# Altium PCB PowerBoard.PcbDoc
Units mil, origin at the board's own origin, x right, y up, seen from the top; angles counter-clockwise.
Board outline 3937.01 x 2427.89 mil, 2 copper layers (Top Layer, Bottom Layer); 17 components, 24 nets, 84 pads, 0 vias.
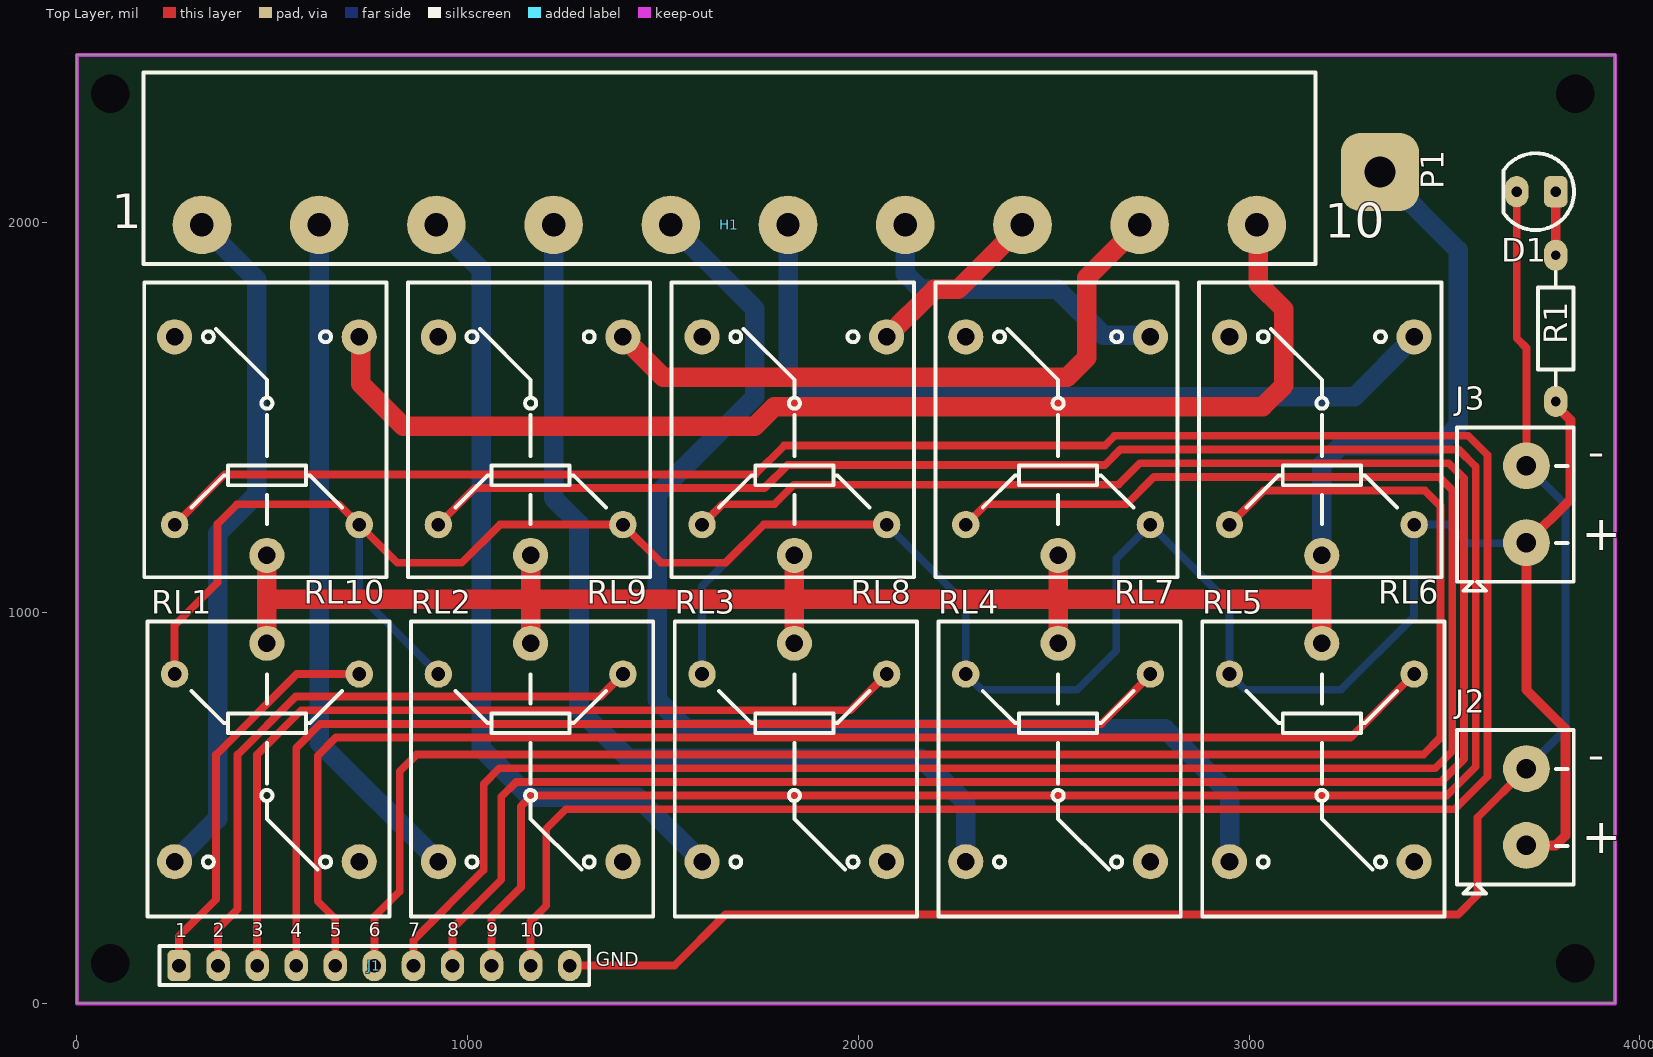
[diagram p0: Top Layer view]
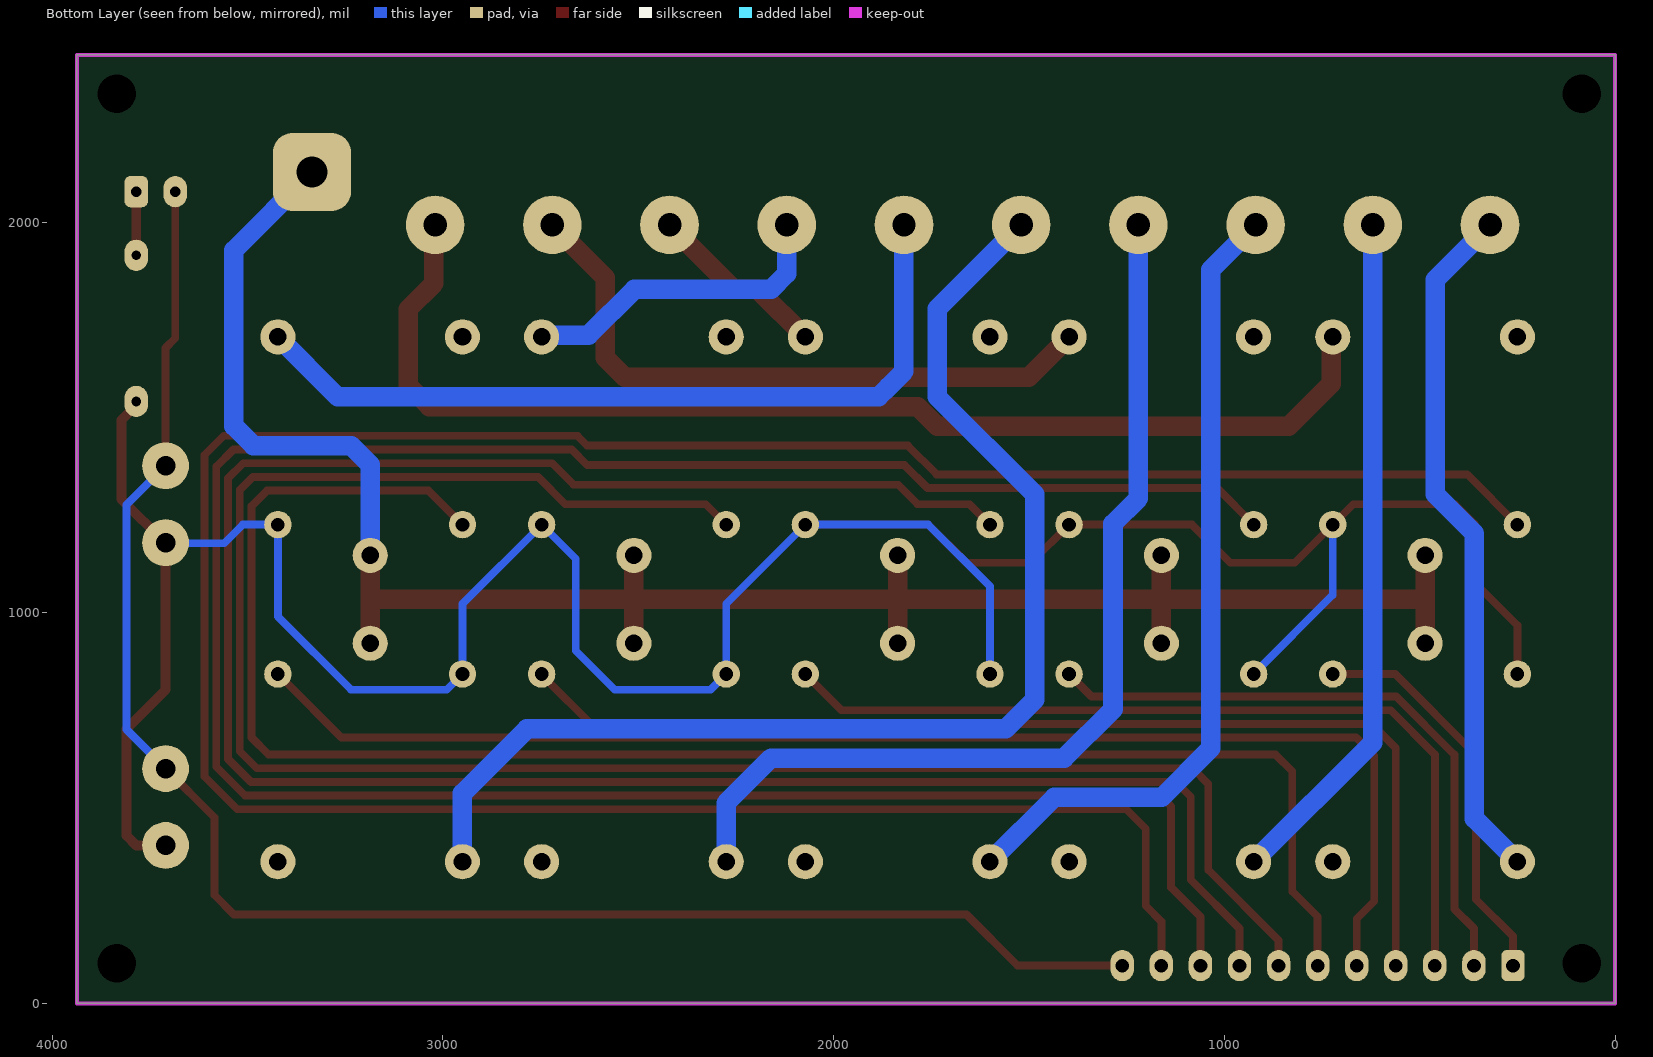
[diagram p1: Bottom Layer view, seen from below]
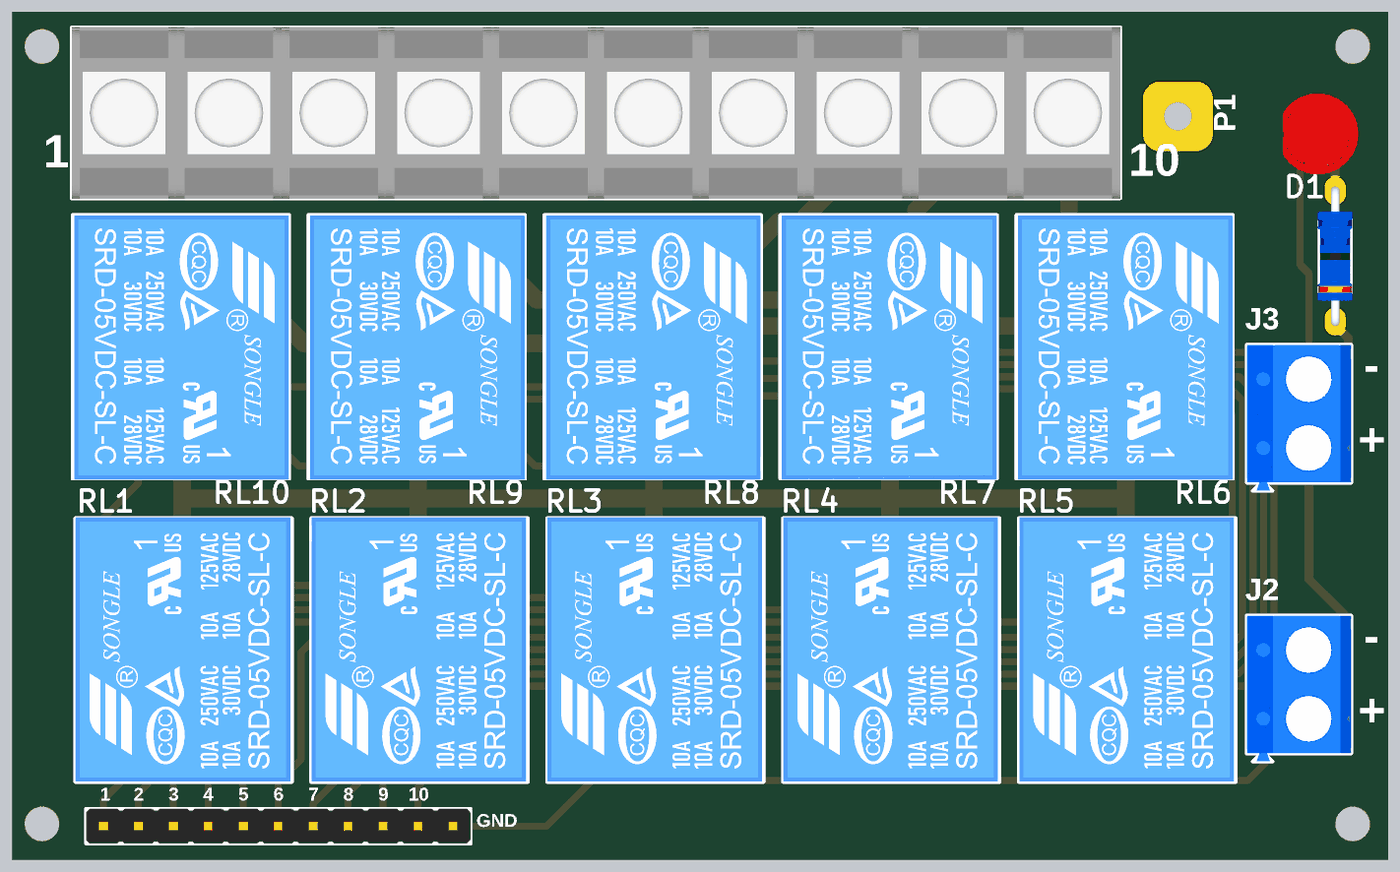
[diagram p2: 3D render of the assembled board from above, using the file's embedded part models]

## Layer stack, top to bottom
Top Solder: solder mask 0.4, Solder Resist, Dk 3.5
Top Layer: signal copper 1.4
Dielectric 1: dielectric 12.6, FR-4, Dk 4.8
Bottom Layer: signal copper 1.4
Bottom Solder: solder mask 0.4, Solder Resist, Dk 3.5

## Board outline
-0.02,0.01 -0.02,2427.9 3936.99,2427.9 3936.99,0.01

## Design rules (kind name [scope] priority, off if disabled: settings)
Clearance [All] p1: gap=10 ignorepadtopadclearanceinfootprint=FALSE except(0: Arc-Hole Track-Hole SMDPad-Hole THPad-Hole Via-Hole Fill-Hole Poly-Hole Region-Hole Text-Hole)
PolygonConnect [All] p1: connectstyle=Relief reliefconductorwidth=10 reliefentries=4 polygonreliefangle="90 Angle" airgapwidth=10
RoutingVias [All] p1: holewidth=28 width=50 viastyle="Through Hole" minholewidth=28 minwidth=50 maxholewidth=28 maxwidth=50
SolderMaskExpansion [All] p1: expansion=4 istentingtop=FALSE
Width [All] p1: maxlimit=50 minlimit=10 preferedwidth=50
30 further rules are at their usual default settings.

## Classes and differential pairs
component class PowerBoard: D1 H1 J1 J2 P1 R1 RL1 RL2 RL3 RL4 RL5 RL6 RL7 RL8 RL9 RL10

## Components (designator, comment, footprint, x,y, rotation, side; value= is the part's Value field where it differs from the comment)
D1 "LED" LED_5MM 3735.09,2077.9 r180 top
H1 "TB" "TERMINAL-BLOCK-7.62MM -10PIN" 1670.09,1992.9 r180 top
J1 "HEADER-MALE-2.54MM" HEADER-MALE-11PINS-2.54MM 711.31,96.96 r0 top
J2 "POWER" DG306-5.0-02P-12-00AH 3710.09,502.9 r90 top
J3 "POWER" DG306-5.0-02P-12-00AH 3710.09,1277.9 r90 top
P1 "220V" SolderPoint 3335.09,2127.9 r0 top
R1 "10K" RES-0.25W-H 3785.09,1727.9 r90 top
RL1 "Relay-SONGLE-SRD-05VDC" RELAY-SONGLE-SRD-05VDC_BLUE 486.31,642.6 r90 top
RL2 "Relay-SONGLE-SRD-05VDC" RELAY-SONGLE-SRD-05VDC_BLUE 1161.31,642.6 r90 top
RL3 "Relay-SONGLE-SRD-05VDC" RELAY-SONGLE-SRD-05VDC_BLUE 1836.31,642.6 r90 top
RL4 "Relay-SONGLE-SRD-05VDC" RELAY-SONGLE-SRD-05VDC_BLUE 2511.31,642.6 r90 top
RL5 "Relay-SONGLE-SRD-05VDC" RELAY-SONGLE-SRD-05VDC_BLUE 3186.31,642.6 r90 top
RL6 "Relay-SONGLE-SRD-05VDC" RELAY-SONGLE-SRD-05VDC_BLUE 3186.31,1426.31 r270 top
RL7 "Relay-SONGLE-SRD-05VDC" RELAY-SONGLE-SRD-05VDC_BLUE 2511.31,1426.31 r270 top
RL8 "Relay-SONGLE-SRD-05VDC" RELAY-SONGLE-SRD-05VDC_BLUE 1836.31,1426.31 r270 top
RL9 "Relay-SONGLE-SRD-05VDC" RELAY-SONGLE-SRD-05VDC_BLUE 1161.31,1426.31 r270 top
RL10 "Relay-SONGLE-SRD-05VDC" RELAY-SONGLE-SRD-05VDC_BLUE 486.31,1426.31 r270 top

## Footprints (in the part's own frame and the unit in brackets; to place one, negate y for a bottom-side part, rotate by r counter-clockwise, add the part's x,y. Pads: shape width x height; smd on the part's side, far side on the other; paste and mask are expansions set on the pad)
DG306-5.0-02P-12-00AH [mil] "• Current rating: 10 A AC/DC  • Voltage rating: 300 V AC/DC  • Temperature range: -30° ~ +120°  • Applicable wire: 22-14AWG UL (0.5 - 1.5mm² IEC)"
  round 120 hole 50: 1(-98.43,0) 2(98.43,0)
  silkscreen extent -221,-121 197,178, body extent -221,-121 196,178, height 394
HEADER-MALE-11PINS-2.54MM [mil]
  rrect50% 60x80 hole 35: 1(-450,0)
  oval 60x80 hole 35: 2(-350,0) 3(-250,0) 4(-150,0) 5(-50,0) 6(50,0) 7(150,0) 8(250,0) 9(350,0) 10(450,0) 11(550,0)
  silkscreen extent -500,-50 600,50, body extent -500,-50 600,50, height 350
LED_5MM [mil]
  rrect50% 60x80 hole 27.56: 1(-50,0)
  oval 60x80 hole 27.56: 2(50,0)
  silkscreen extent -97,-98 84,98, body extent -116,-116 98,116, height 339
RELAY-SONGLE-SRD-05VDC_BLUE [mil]
  round 70 hole 35: 1(200.61,-236.22) 3(200.61,236.22)
  round 90 hole 45: 2(279.35,0) 4(-279.7,236.22) 5(-279.7,-236.22)
  silkscreen extent -419,-314 335,306, body extent -418,-309 338,305, height 626
RES-0.25W-H [mil]
  oval 80x60 hole 25: 1(-187,0) 2(187,0)
  silkscreen extent -145,-45 145,45, body extent -199,-49 199,49, height 109
SolderPoint [mil]
  rrect50% 200x200 hole 80: 1(0,0)
"TERMINAL-BLOCK-7.62MM -10PIN" [mil]
  round 150 hole 60: 1(-1350,0) 2(-1050,0) 3(-750,0) 4(-450,0) 5(-150,0) 6(150,0) 7(450,0) 8(750,0) 9(1050,0) 10(1350,0)
  silkscreen extent -1500,-390 1500,100, body extent -1500,-391 1500,101, height 409

## Part data
D1: library part "LED 5MM"
H1: library part TERMINAL-BLOCK-7.62MM-10PIN
J1: library part HEADER-MALE-11PINS-2.54MM
J2 J3: library part DG306-5.0-02P-12-00AH
P1: library part SolderPoint
R1: library part "Resistors THD"

## Free pads (board coordinates)
  round 60 hole 98.43: 2(3835.09,2327.9) 3(3835.09,102.9) 4(85.09,2327.9) 5(85.09,102.9)

## Nets (pads, with @x,y where several pads share a name; then routed paths per layer and width w, separated by ;. In a path a pad name is that pad's centre, name@x,y a point inside that pad or via, vN(x,y) a via of type N, cw(c..) or ccw(c..) an arc to the next point about the centre after c; other vN are vias at no path point)
GND: D1.2 J1.11 J2.2 J3.2 | length 4370
  Top Layer w20: J1.11 1529.15,96.96 1660.09,227.9 3535.09,227.9 3585.09,277.9 3585.09,476.33 J2.2 ; D1.2 3685.09,1702.9 3710.09,1677.9 J3.2 ; J2.2@3710.09,602.9 3713.24,599.75 J2.2@3735.09,599.75
  Bottom Layer w20: J2.2 3810.09,701.33 3810.09,1276.33 J3.2
NetD1_1: D1.1 R1.2 | length 163
  Top Layer w25: R1.2 D1.1
NetH1_1: H1.1 RL10.4 | length 3011.6
  Top Layer w50: RL10.4 726.98,1701.56 726.98,1586.01 835.09,1477.9 1735.09,1477.9 1785.09,1527.9 3035.09,1527.9 3089.38,1582.19 3089.38,1776.87 3023.35,1842.9 3023.35,1989.64 H1.1
NetH1_2: H1.2 RL9.4 | length 1646.9
  Top Layer w50: RL9.4 1500.65,1602.9 2535.09,1602.9 2585.09,1652.9 2585.09,1857.9 H1.2
NetH1_3: H1.3 RL8.4 | length 466.4
  Top Layer w50: RL8.4 2194.42,1827.9 2255.09,1827.9 H1.3
NetH1_4: H1.4 RL7.4 | length 819.5
  Bottom Layer w50: H1.4 2120.09,1867.9 2160.09,1827.9 2510.09,1827.9 2627.53,1710.46 2743.09,1710.46 RL7.4
NetH1_5: H1.5 RL6.4 | length 2067.8
  Bottom Layer w50: H1.5 1820.09,1617.9 1860.15,1577.85 1885.09,1552.9 3269.42,1552.9 RL6.4
NetH1_6: H1.6 RL5.4 | length 3147
  Bottom Layer w50: H1.6 1735.09,1777.9 1735.09,1552.9 1485.09,1302.9 1485.09,777.9 1560.09,702.9 2785.09,702.9 2950.09,537.9 RL5.4
NetH1_7: H1.7 RL4.4 | length 2506.3
  Bottom Layer w50: H1.7 1220.09,1292.9 1285.09,1227.9 1285.09,752.9 1410.09,627.9 2160.09,627.9 2275.09,512.9 RL4.4
NetH1_8: H1.8 RL3.4 | length 2072.8
  Bottom Layer w50: H1.8 1035.09,1877.9 1035.09,652.9 1160.09,527.9 1435.09,527.9 RL3.4
NetH1_9: H1.9 RL2.4 | length 1756.3
  Bottom Layer w50: H1.9 620.09,667.9 RL2.4
NetH1_10: H1.10 RL1.4 | length 1775
  Bottom Layer w50: RL1.4 360.09,472.9 360.09,1202.9 460.09,1302.9 460.09,1852.9 H1.10
NetJ1_1: J1.1 RL1.1 | length 1031
  Top Layer w20: J1.1 261.31,171.96 356.31,266.96 356.31,636.96 562.57,843.22 RL1.1
NetJ1_2: J1.2 RL2.1 | length 1632.4
  Top Layer w20: J1.2 361.31,191.96 411.31,241.96 411.31,636.96 560.07,785.72 1340.03,785.72 RL2.1
NetJ1_3: J1.3 RL3.1 | length 2237
  Top Layer w20: J1.3 461.31,637.46 574.57,750.72 1980.03,750.72 RL3.1
NetJ1_4: J1.4 RL4.1 | length 2801.3
  Top Layer w20: J1.4 561.31,654.12 622.91,715.72 2622.2,715.72 RL4.1@2733.76,827.27
NetJ1_5: J1.5 RL5.1 | length 3447.5
  Top Layer w20: J1.5@661.31,101.96 661.31,216.96 616.31,261.96 616.31,634.12 662.91,680.72 3260.03,680.72 3407.84,828.52 RL5.1@3432.51,828.52
NetJ1_6: J1.6 RL6.1 | length 4408.6
  Top Layer w20: J1.6 761.31,221.96 826.31,286.96 826.31,594.12 869.15,636.96 3446.31,636.96 3490.09,680.74 3490.09,1272.9 3450.09,1312.9 3037.3,1312.9 RL6.1
NetJ1_7: J1.7 RL7.1 | length 5031
  Top Layer w20: J1.7 861.31,161.96 1041.31,341.96 1041.31,561.96 1081.31,601.96 3476.31,601.96 3520.09,645.74 3520.09,1314.12 3486.31,1347.9 2756.83,1347.9 2686.83,1277.9 2327.3,1277.9 RL7.1
NetJ1_8: J1.8 RL8.1 | length 5737.3
  Top Layer w20: J1.8 961.31,191.96 1086.31,316.96 1086.31,529.12 1124.15,566.96 3491.31,566.96 3550.09,625.74 3550.09,1344.12 3511.31,1382.9 2720.57,1382.9 2665.57,1327.9 1835.09,1327.9 1785.09,1277.9 1652.3,1277.9 RL8.1
NetJ1_9: J1.9 RL9.1 | length 6445.2
  Top Layer w20: RL9.1 1018.7,1319.3 1760.09,1319.3 1818.7,1377.9 2630.54,1377.9 2670.54,1417.9 3536.31,1417.9 3580.09,1374.12 3580.09,605.74 3506.31,531.96 1164.15,531.96 1136.31,504.12 1136.31,296.96 1061.31,221.96 J1.9
NetJ1_10: J1.10 RL10.1 | length 7128.5
  Top Layer w20: RL10.1 378.7,1354.3 1736.49,1354.3 1810.09,1427.9 2631.04,1427.9 2656.04,1452.9 3561.31,1452.9 3610.09,1404.12 3610.09,580.74 3526.31,496.96 1251.31,496.96 1201.31,446.96 1201.31,250.04 1161.31,210.04 J1.10
NetP1_1: P1.1 RL1.2 RL2.2 RL3.2 RL4.2 RL5.2 RL6.2 RL7.2 RL8.2 RL9.2 RL10.2 | length 5179.7
  Top Layer w50: RL1.2 486.31,1034.46 ; RL10.2 486.31,1034.46 ; RL2.2 1161.31,1034.46 ; RL9.2 1161.31,1034.46 ; RL3.2 1836.31,1034.46 ; RL8.2 1836.31,1034.46 ; RL4.2 2511.31,1034.46 ; RL7.2 2511.31,1034.46 ; RL5.2 3186.31,1034.46 ; RL6.2 3186.31,1034.46 ; 486.31,1034.46 1161.31,1034.46 ; 1161.31,1034.46 1836.31,1034.46 ; 1836.31,1034.46 2511.31,1034.46 ; 2511.31,1034.46 3186.31,1034.46
  Bottom Layer w50: RL6.2 3186.31,1379.12 3235.09,1427.9 3485.09,1427.9 3535.09,1477.9 3535.09,1927.9 P1.1
VCC: J2.1 J3.1 R1.1 RL1.3 RL2.3 RL3.3 RL4.3 RL5.3 RL6.3 RL7.3 RL8.3 RL9.3 RL10.3 | length 7766
  Top Layer w20: RL1.3 250.09,967.9 360.09,1077.9 360.09,1227.9 410.09,1277.9 670.33,1277.9 RL10.3 820.33,1127.9 985.09,1127.9 1082.89,1225.7 RL9.3 1495.33,1127.9 1660.09,1127.9 1757.89,1225.7 RL8.3
  Top Layer w25: J2.1 3785.09,404.48 3810.09,429.48 3810.09,702.9 3710.09,802.9 J3.1 3711.67,1179.48 3822.59,1290.4 3822.59,1493.4 3785.09,1530.9 R1.1
  Bottom Layer w20: RL10.3 722.53,1045.78 RL2.3 ; RL3.3 1600.09,1067.9 1757.89,1225.7 RL8.3 2275.09,1023.14 RL4.3 2315.41,802.9 2560.09,802.9 2660.09,902.9 2660.09,1138.26 RL7.3 2950.09,1023.14 RL5.3 2990.41,802.9 3235.09,802.9 3422.53,990.34 RL6.3 3512.3,1225.7 3560.09,1177.9 3708.52,1177.9 J3.1 ; J3.1@3721.81,1191.19 J3.1@3735.09,1177.9
pads on no net: RL1.5 RL2.5 RL3.5 RL4.5 RL5.5 RL6.5 RL7.5 RL8.5 RL9.5 RL10.5

## Keep-outs
Keep-Out Layer:
  the board outline again, w10

## Silkscreen, mask and mechanical layers (free items; w line width, h text height)
Top Overlay:
  text "1" at 89,1954.6 h150
  text "10" at 3194.03,1930.5 h150
  text "-" at 3866.98,1342.99 h150
  text "+" at 3851.5,1130.57 h150
  text "-" at 3866.98,567.99 h150
  text "+" at 3851.5,355.57 h150
  text "3" at 447.33,158.95 h60
  text "5" at 647.16,159.31 h60
  text "6" at 747.25,158.95 h60
  text "7" at 847.5,158.95 h60
  text "8" at 947.44,158.95 h60
  text "9" at 1047.27,158.95 h60
  text "10" at 1133.68,158.95 h60
  text "1" at 251.66,158.59 h60
  text "2" at 347.19,158.59 h60
  text "4" at 546.27,158.62 h60
  text "GND" at 1328.1,83.7 h60